# Altium PCB AT short bus ( 7 x 4.2 inches).PCBDOC (part 2 of 4) (continued)
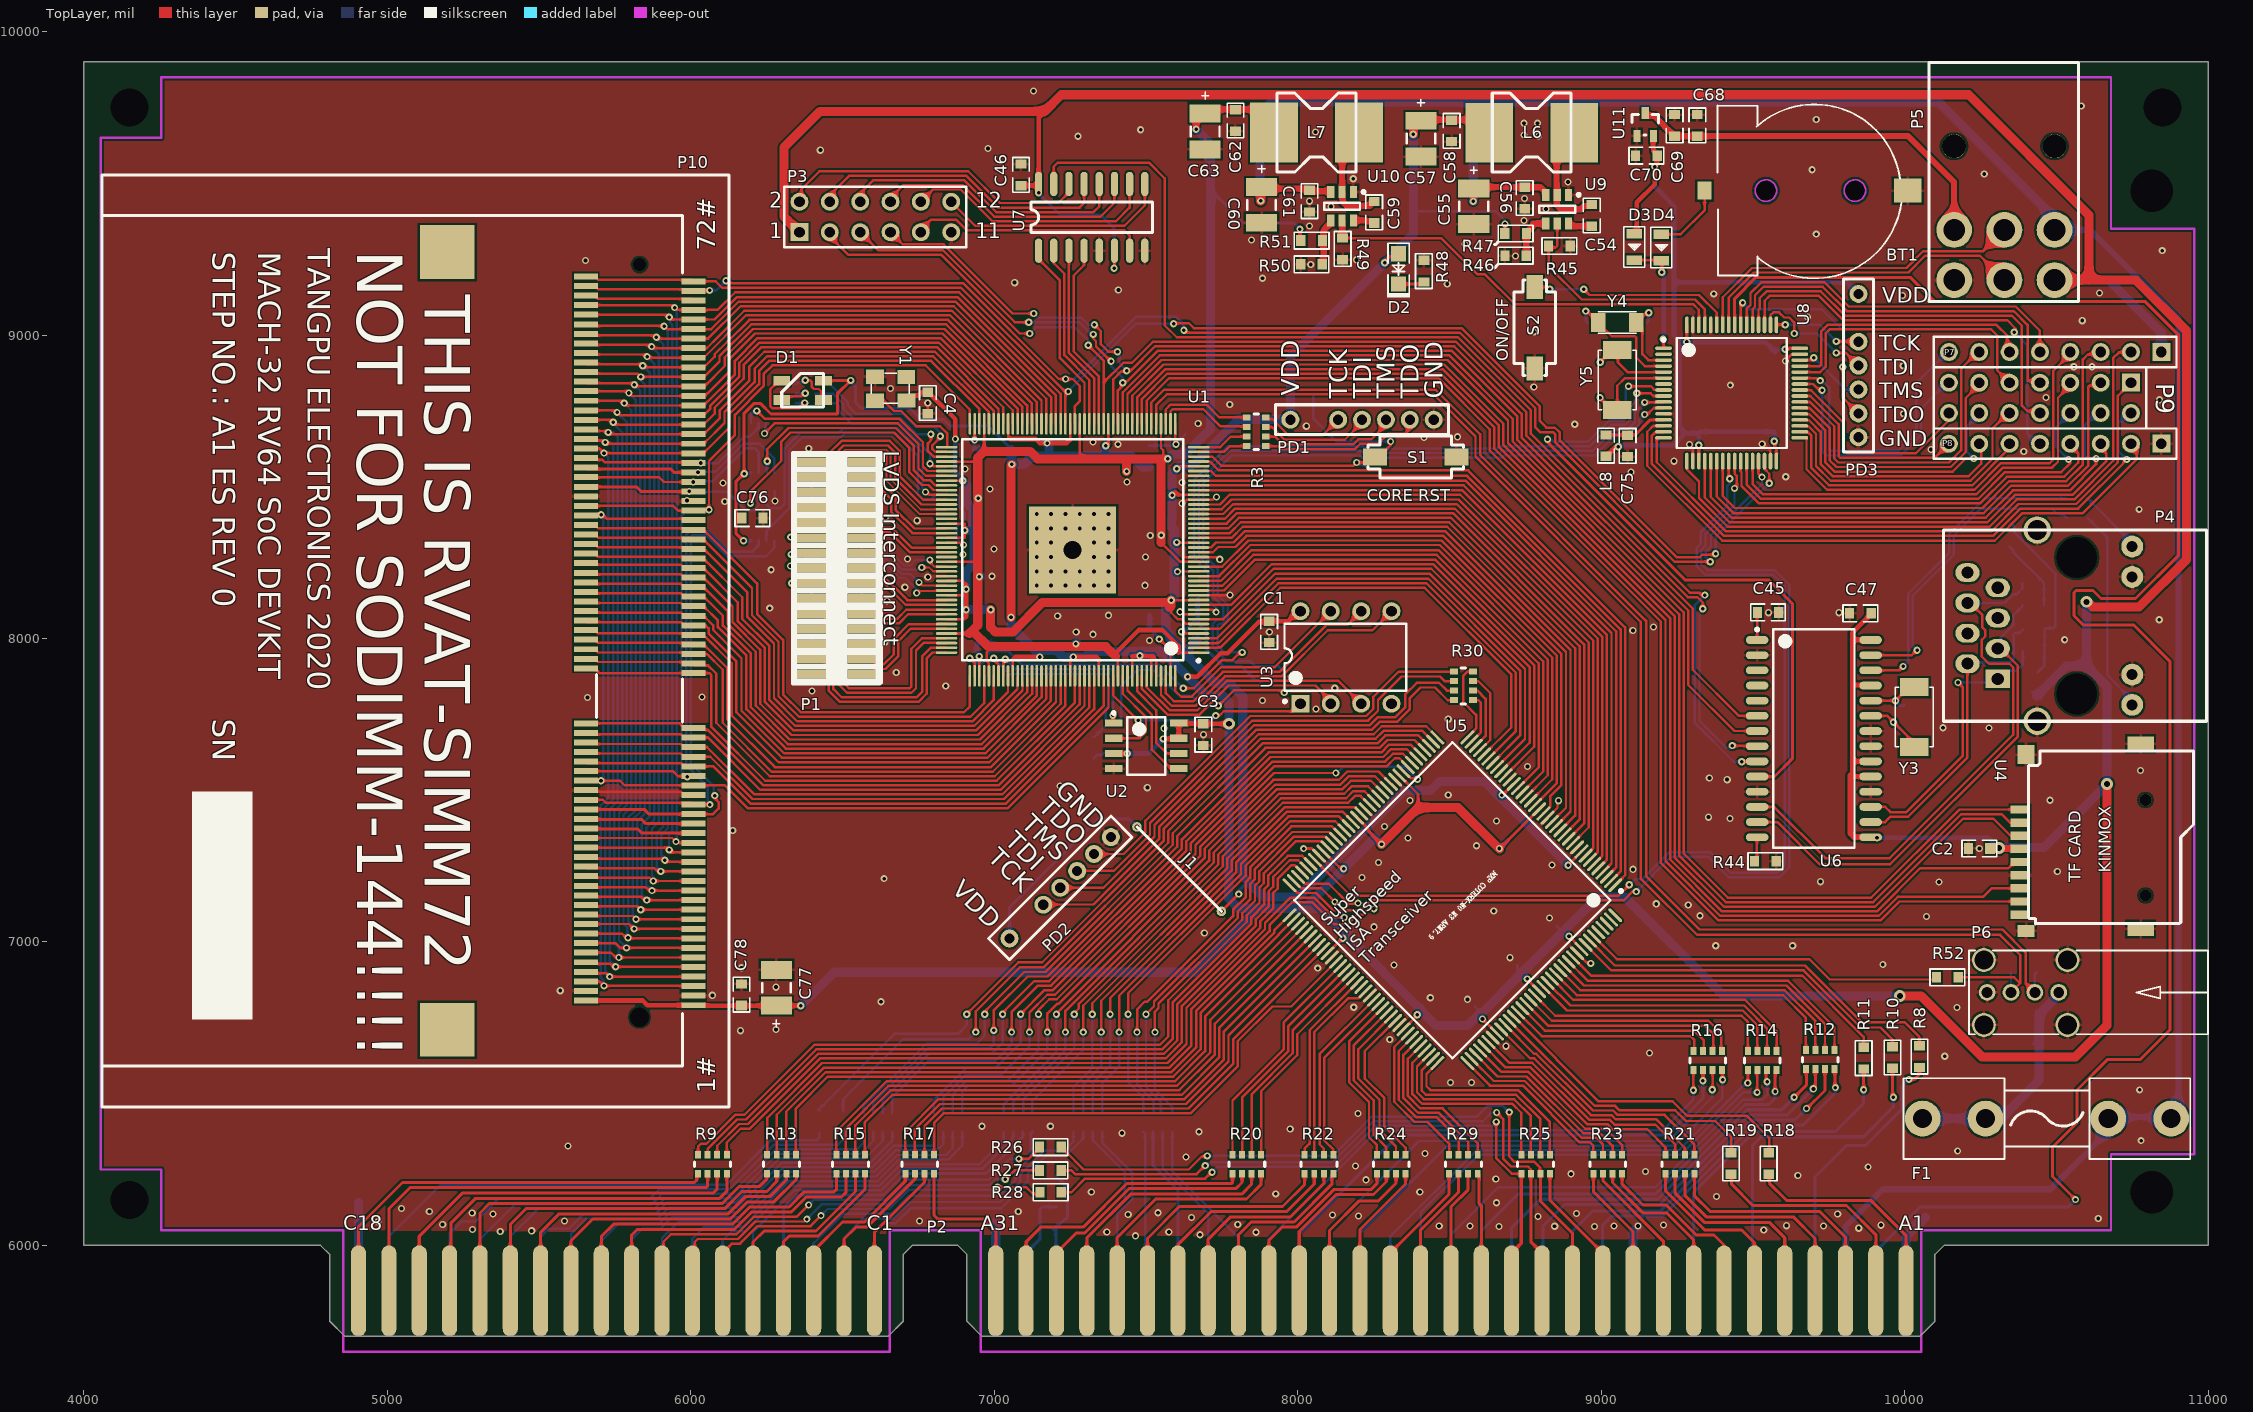
[diagram p0: TopLayer view]
## Nets (pads, with @x,y where several pads share a name; then routed paths per layer and width w, separated by ;. In a path a pad name is that pad's centre, name@x,y a point inside that pad or via, vN(x,y) a via of type N, cw(c..) or ccw(c..) an arc to the next point about the centre after c; other vN are vias at no path point) (continued)
DONE: U1.10 U8.9 | length 2241.7
  TopLayer w8: U1.10@7673.35,8095.15 7673.48,8095.02 7718.64,8095.02 7726.67,8087 v2(7731,8087) ; v2(9117,8808) 9163,8808 9172.57,8798.43 9204.86,8798.43 U8.9@9205.59,8799.16
  BottomLayer w8: v2(7731,8087) 7731,8101 7705,8127 7705,8219 7658.19,8265.81 7658.19,8522.4 7768.79,8633.01 8215.96,8633.01 8222.78,8626.19 8659.54,8626.19 8666.36,8633.01 8962.01,8633.01 9033.13,8704.13 9080.49,8704.13 9096,8719.65 9096,8762.54 9117,8783.54 v2(9117,8808)
DQMH: P10.25 P10.48 U1.88 | length 3115.1
  TopLayer w8: P10.25@5654,7562.96 5941.04,7562.96 5957,7547 ; P10.48@5654,8436.98 5942,8436.98 5957.75,8421.23 P10.48@6008.33,8421.23 ; 5958,7546 6007.12,7546 P10.25@6008.33,7547.21 P10.25@6008.72,7547.61 ; P10.48@6007.87,8421.68 P10.48@6008.33,8421.23 ; P10.48@6008.33,8420 P10.48@6009.56,8421.23 ; U1.88@6919.42,8707.35 6919.29,8707.48 6919.29,8754.71 6774,8900 6269,8900 6240,8871 6240,8832.04 6145,8737.04 6145,8670 6060,8585 v3(6060,8424) ; P10.48@6008.33,8421.23 P10.48@6009.56,8421.23 ; P10.48@6009.56,8421.23 6012.33,8424 v3(6060,8424) ; P10.48@6009.56,8421.23 6057.23,8421.23 v3(6060,8424)
  BottomLayer w8: v3(5988.18,7544.47) 5969.21,7563.44 5969.21,8403.21 5990,8424 v3(6060,8424)
DQML: P10.24 P10.47 U1.162 | length 3236.8
  TopLayer w8: P10.24@5654,7531.46 5654.54,7532 5655.54,7531 v3(5704,7531) 5767,7531 5782.28,7515.72 P10.24@6008.33,7515.72 6112.28,7515.72 6187,7441 7044.84,7441 7376.53,7772.69 U1.162@7376.53,7865 ; P10.47@5654,8405.48 5657.52,8409 5659.02,8407.5 v3(5704.5,8407.5) 5709.73,8407.5 5722.4,8394.83 6003.24,8394.83 P10.47@6008.33,8389.73
  BottomLayer w8: v3(5704,7531) 5712,7539 5712,8400 v3(5704.5,8407.5)
DRQ0: P2.D9 R34.6 | length 1364.7
  BottomLayer w8: P2.D9@5805,5850 5805,6019 5840.72,6054.72 5899.61,6054.72 5937.88,6093 6162.36,6093 6311.36,6242 6603.43,6242 6674.36,6312.93 6809.93,6312.93 6831.64,6334.64 R34.6@6831.64,6373.01
DRQ1: P2.B18 R14.4 | length 1609.8
  TopLayer w8: v3(9483.07,6535.07) 9483.5,6535.5 R14.4@9483.5,6578.01
  BottomLayer w8: P2.B18@8305,5850 8305,6029 8589,6313 9255.57,6313 9477.64,6535.07 v3(9483.07,6535.07)
DRQ2: P2.B6 R10.1 | length 1126.9
  TopLayer w10: R10.1@9960,6583.57 9960,6491 v3(9963,6488)
  BottomLayer w10: P2.B6@9505,5850 9499,5856 9499,6329 9528,6358 9865,6358 9963,6456 v3(9963,6488)
DRQ3: P2.B16 R14.2 | length 1503.7
  TopLayer w8: R14.2@9546.5,6578.01 9543,6574.51 9543,6543 v3(9547,6539)
  BottomLayer w8: P2.B16@8505,5850 8505,6036 8660,6191 9178.21,6191 9467.21,6480 9531,6480 9547,6496 v3(9547,6539)
DRQ5: P2.D11 R35.8 | length 1402.3
  BottomLayer w8: P2.D11@5605,5850 5605,6038.07 5655.51,6088.58 5890.99,6088.58 5926.41,6124 6150.93,6124 6298.93,6272 6591,6272 6664.17,6345.17 R35.8@6664.17,6373.01
DRQ6: P2.D13 R35.6 | length 1534.2
  BottomLayer w8: P2.D13@5405,5850 5405,6029 5496.47,6120.47 5879.57,6120.47 5914.1,6155 6139.51,6155 6286.51,6302 6558.47,6302 6601.18,6344.71 R35.6@6601.18,6373.01
DRQ7: P2.D15 R36.1 | length 1637.7
  BottomLayer w8: P2.D15@5205,5850 5205,6039.25 5244.49,6078.74 5290.97,6078.74 5366.56,6154.33 5865.35,6154.33 5896.02,6185 6127.08,6185 6274.08,6332 6486,6332 6502,6348 R36.1@6502,6371.57
ECOSC1: C66.1 U8.5 Y5.1 | length 354.1
  TopLayer w8: v2(8997,8910) 8997,8912.14 9035.28,8950.43 Y5.1@9053,8950.43 9055,8948.43 9055,8910 9087.1,8877.9 U8.5@9205.59,8877.9
  BottomLayer w8: v2(8997,8910) 9042.87,8955.87 C66.1@9053,8955.87
ECOSC2: C67.1 U8.6 Y5.2 | length 393.1
  TopLayer w8: v2(8996,8794) 8996,8792.86 9035.28,8753.57 Y5.2@9053,8753.57 9053,8833 9078.21,8858.21 U8.6@9205.59,8858.21
  BottomLayer w8: v2(8996,8794) 9000.42,8794 9049.28,8745.13 C67.1@9052,8745.13
ECRST: U8.7
ECRTC1: C64.1 U8.4 Y4.1 | length 415.5
  TopLayer w8: v2(8949.01,9079) 8952.01,9079 Y4.1@8990.01,9041 8990.01,9033.13 9009.63,9013.5 9017.5,9013.5 9035.01,8996 9111.31,8996 9116,8991.31 9116,8925 9143.42,8897.58 U8.4@9205.59,8897.58
  BottomLayer w8: v2(8949.01,9079) 8949.01,9046.57 C64.1@8954.57,9041
ECRTC2: C65.1 U8.3 Y4.2 | length 277.9
  TopLayer w8: v2(9156.5,9073) 9147.99,9073 Y4.2@9115.99,9041 9136,9020.99 9136,8937 9155.73,8917.27 U8.3@9205.59,8917.27
  BottomLayer w8: C65.1@9151.43,9041 9156.5,9046.07 v2(9156.5,9073)
ECTCK: PD3.2 U8.49 | length 293.8
  TopLayer w8: U8.49@9577.64,9033.41 9578.23,9034 v2(9607,9034) ; v2(9775,8979) 9847,8979 PD3.2@9848,8978
  BottomLayer w8: v2(9607,9034) 9720,9034 v2(9775,8979)
ECTDI: PD3.3 U8.50 | length 420.1
  TopLayer w8: U8.50@9557.95,9033.41 9557.95,9065.43 9567.32,9074.8 9586.61,9074.8 9603.54,9057.87 9619.68,9057.87 9636,9041.56 v2(9636,9005) ; v2(9775,8941) 9806.26,8941 PD3.3@9848,8899.26
  BottomLayer w8: v2(9636,9005) 9711,9005 v2(9775,8941)
ECTDO: PD3.5 U8.55 | length 742.5
  TopLayer w8: U8.55@9459.53,9033.41 9459.76,9033.65 9459.76,9099.76 v2(9466,9106) ; v2(9796,8895) 9796,8793.78 PD3.5@9848,8741.78
  BottomLayer w8: v2(9466,9106) 9487,9085 9727,9085 9801.01,9010.99 9801.01,8916.47 9799.06,8914.53 9799.06,8898.06 v2(9796,8895)
ECTMS: PD3.4 U8.46 | length 240.2
  TopLayer w8: U8.46@9654.41,8917.27 9654.54,8917.13 9693.13,8917.13 v2(9701,8925)
  BottomLayer w8: v2(9701,8925) 9805.48,8820.52 PD3.4@9848,8820.52
ECVDD: C70.2 C71.2 C72.2 C73.2 C74.2 D3.1 L8.2 PD3.1 U8.19 U8.32 U8.48 U8.64 U11.2 | length 3219.6
  TopLayer w10: v2(9282,8977) 9282.36,8977.36 U8.64@9282.36,9033.41 ; U8.19@9321.73,8584.59 9321.73,8636.73 v2(9322,8637) ; v2(9570,8650) 9572.68,8647.32 9572.68,8632.11 9577.64,8627.15 U8.32@9577.64,8584.59 ; v2(9606,8953) 9609.64,8956.64 U8.48@9654.41,8956.64
  TopLayer w15: L8.2@9016,8600 L8.2@9017.27,8601.27 ; L8.2@9017.27,8598.73 L8.2@9017.27,8601.27 ; L8.2@9017.27,8607.25 L8.2@9017.27,8601.27 ; v2(9056,8632) 9048,8632 L8.2@9017.27,8601.27 ; D3.1@9109,9333.61 9117,9341.61 9117,9437 9176,9496 v3(9176,9555) 9184,9563 9184,9592.54 9184.43,9592.97 9171,9606.4 U11.2@9171,9659
  BottomLayer w10: v2(9322,8637) 9322,8678.57 C72.2@9325,8681.57 ; C74.2@9572.87,8943 9582.87,8953 v2(9606,8953)
  BottomLayer w15: v2(9056,8632) 9060.79,8636.79 9238.79,8636.79 9269.79,8667.79 9269.79,8687.21 ; v3(9176,9555) 9176,9490 9240,9426 9240,9174 ; C71.2@9291,8947.43 9289.03,8947.43 9280.78,8955.68 9280.78,8957.65 9262,8976.43 ; C72.2@9322,8678.57 9319.65,8676.21 9280.79,8676.21 9269.79,8687.21 ; C72.2@9325,8681.57 C73.2@9569,8681.57 9570,8680.57 v2(9570,8650) ; C74.2@9572.87,8943 9572.87,8944.97 9541.4,8976.43 9262,8976.43 ; PD3.1@9848,9135.48 9809.48,9174 9240,9174 ; 9240,9174 9240,8998.43 9262,8976.43 ; 9262,8976.43 9258.78,8976.43 9258.78,8698.22 9269.79,8687.21
ELEDA: P4.9 R38.1 | length 676.3
  BottomLayer w8: R38.1@10603.43,8397 10668,8332.43 10668,7878.62 10750,7796.62 P4.9@10750,7781.37
ELEDB: P4.12 R39.1 | length 222.8
  BottomLayer w8: R39.1@10602.43,8459.28 R39.1@10602.43,8462 10737.75,8326.68 10737.75,8315.25 P4.12@10750,8303
EN12: R49.1 U8.62 U10.5 | length 1379.8
  TopLayer w8: R49.1@8147.82,9319.58 8472.42,9319.58 8591,9201 8616,9201 8715,9102 8939.47,9102 ; 8939.48,9102.01 8958.54,9102.01 9303,9102 9321.73,9083.27 U8.62@9321.73,9033.41
  TopLayer w20: U10.5@8146.24,9377.09 8147.03,9376.31 8147.03,9320.37 R49.1@8147.82,9319.58
EN25: R45.1 U8.61 U9.5 | length 799.1
  TopLayer w8: U9.5@8855,9367.51 8855.28,9367.23 8855.28,9293.52 8850.18,9288.42 8831.75,9288.42 R45.1@8826.75,9293.42 8826.75,9226.25 8935.99,9117.01 9309.21,9117.01 9342,9084.21 9342,9033.99 U8.61@9341.42,9033.41
ERST#: U6.10 U8.8 | length 2212.3
  TopLayer w8: v2(9090,8831) 9163.99,8831.01 9176.16,8818.84 U8.8@9205.59,8818.84
  TopLayer w10: v2(8823,8657) 8823,8647 9278,8192 9553,8192 9630,8115 9630,7604 9571,7545 U6.10@9513.99,7545
  BottomLayer w8: v2(8823,8657) 8826.06,8653.94 8838.06,8653.94 8843.99,8648.01 8955.79,8648.01 9026.92,8719.13 9074.27,8719.13 9081,8725.86 9081,8822 v2(9090,8831)
ETH_XI: C49.1 U6.23 Y3.2 | length 240.8
  TopLayer w8: U6.23@9888.01,7745 9943,7745 10032,7656 Y3.2@10032,7642.57
  BottomLayer w8: v3(9963,7724) 9963,7723.57 C49.1@9995.57,7691
ETH_XO: C48.1 U6.24 Y3.1 | length 201.1
  TopLayer w8: U6.24@9888.01,7795 v3(9969.86,7795) 10014.28,7839.43 Y3.1@10032,7839.43
  BottomLayer w8: v3(9969.86,7795) 9969.86,7793.14 9984,7779 9996.57,7779 C48.1@9999.57,7782
ETHINT#: U6.4
EVDD33: C75.2 L8.1 U8.13 | length 210.1
  TopLayer w10: L8.1@9016,8670.87 9111.87,8670.87 9161.42,8720.42 U8.13@9205.59,8720.42
FPGA_MB0: P10.3 P10.54 U1.86 | length 3732.8
  TopLayer w8: P10.3@5654,6870.05 5699.05,6870.05 v3(5714,6855.09) 6007.54,6855.09 P10.3@6008.33,6854.3 ; P10.54@5654,8625.95 5699.05,8625.95 v3(5714,8611) 6007.54,8611 P10.54@6008.33,8610.2 6041.6,8610.2 6127.4,8696 6127.4,8740.65 6225,8838.25 6225,8882 6258,8915 6792.02,8915 6950.91,8756.1 U1.86@6950.91,8707.35
  BottomLayer w8: v3(5714,6855.09) 5711.01,6858.08 5711.01,6874.73 5703.19,6882.55 5703.19,7450.19 5727.31,7474.31 5727.31,8597.69 v3(5714,8611)
FPGA_MB1: P10.4 P10.55 U1.84 | length 3699.8
  TopLayer w8: P10.4@5654,6901.54 5659.09,6896.45 5721.55,6896.45 v3(5732.2,6885.8) P10.4@5978.8,6885.8 ; P10.55@5654,8657.45 5659.09,8652.35 v3@5710.65,8652.35 ; v3@5721.3,8641.7 P10.55@5978.8,8641.7 ; P10.55@6008.33,8641.7 6042.7,8641.7 6111,8710 6111,8746 6210,8845 6210,8889 6251,8930 6798.23,8930 6982.28,8745.94 6982.28,8707.48 U1.84@6982.41,8707.35
  BottomLayer w8: v3(5718,8646) 5734.71,8646 5743.81,8636.9 5743.81,7469.6 5718.19,7443.98 5718.19,6904.04 5732.2,6890.02 v3(5732.2,6885.8)
FPGA_MB2: P10.5 P10.56 U1.83 | length 3795.6
  TopLayer w8: P10.5@5654,6933.04 5659.09,6927.94 5734,6927.94 5743.94,6918 v3(5752,6918) 6003.62,6918 6005.62,6920 P10.5@6008.33,6917.29 P10.5@6009.13,6918.09 ; P10.56@5654,8688.94 5659.09,8683.85 5723.15,8683.85 v3(5728,8679) 5733.8,8673.2 P10.56@6008.33,8673.2 6009.13,8674 6043,8674 6096,8727 6096,8753 6192,8849 6192,8895 6242,8945 6804.44,8945 6998.03,8751.41 6998.03,8707.48 U1.83@6998.16,8707.35
  BottomLayer w8: v3(5728,8679) 5745.41,8679 5758.81,8665.6 5758.81,7463.38 5733.19,7437.76 5733.19,6936.81 v3(5752,6918)
FPGA_MB3: P10.6 P10.57 U1.82 | length 3797.7
  TopLayer w8: P10.6@5654,6964.54 5736.56,6964.54 5752.31,6948.79 v3(5763,6948.79) P10.6@6008.33,6948.79 ; P10.57@5654,8720.44 5736.56,8720.44 v3(5744.43,8712.57) 5752.31,8704.69 P10.57@6008.33,8704.69 6042.59,8704.69 6078.41,8740.51 6078.41,8760.41 6174,8856 6174,8856.1 6175,8857.1 6175,8902.57 6232.43,8960 6810.65,8960 7013.91,8756.75 U1.82@7013.91,8707.35
  BottomLayer w8: v3(5744.43,8712.57) 5744.43,8708.34 5773.81,8678.96 5773.81,7457.17 5758,7441.36 5748.19,7431.55 5748.19,6994.65 5763,6979.84 v3(5763,6948.79)
FPGA_MB4: P10.7 P10.58 U1.81 | length 3816.3
  TopLayer w8: P10.7@5654,6996.03 5751.97,6996.03 5767.72,6980.28 v3(5788,6980.28) P10.7@6008.33,6980.28 ; P10.58@5654,8751.94 5750.06,8751.94 v3(5757,8745) 5765.81,8736.19 P10.58@6008.33,8736.19 6042.99,8736.19 6063.41,8756.61 6063.41,8766.72 6160,8863.31 6160,8908.79 6226.21,8975 6816.87,8975 7029.65,8762.21 U1.81@7029.65,8707.35
  BottomLayer w8: v3(5757,8745) 5788.81,8713.19 5788.81,7450.96 5776,7438.15 5763.19,7425.34 5763.19,7005.09 v3(5788,6980.28)
FPGA_MB5: P10.8 P10.59 U1.79 | length 3819.5
  TopLayer w8: P10.8@5654,7027.53 5772.57,7027.53 v3@5788.31,7011.78 ; P10.59@5654,8783.43 5772.57,8783.43 v3(5780.44,8775.56) 5788.31,8767.69 P10.59@6008.33,8767.69 6042.69,8767.69 6145,8870 6145,8915 6220,8990 6823.08,8990 7061.02,8752.06 7061.02,8707.48 U1.79@7061.15,8707.35 ; v3@5793,7011.78 P10.8@6008.33,7011.78
  BottomLayer w8: v3(5780.44,8775.56) 5803.81,8752.19 5803.81,7444.74 5778.19,7419.12 5778.19,7060.83 5790.19,7048.83 5790.19,7016.81 v3(5793,7014)
FPGA_MB6: P10.9 P10.60 U1.78 | length 3840.7
  TopLayer w8: P10.9@5654,7059.02 5795.35,7059.02 5811.37,7043 v3(5813,7043) 5813.14,7043.14 6008.19,7043.14 P10.9@6008.33,7043.28 ; P10.60@5654,8814.93 5790.07,8814.93 v3(5796,8809) 5805.82,8799.18 P10.60@6008.33,8799.18 6046.18,8799.18 6127,8880 6127,8920.57 6211.43,9005 6829.29,9005 7076.9,8757.4 U1.78@7076.9,8707.35
  BottomLayer w8: v3(5796,8809) 5818.81,8786.19 5818.81,7435.17 5793.19,7409.55 5793.19,7067.04 5810.01,7050.22 v3@5810.01,7047.47
FPGA_MB7: P10.10 P10.61 U1.77 | length 3848
  TopLayer w8: P10.10@5654,7090.52 5659.09,7085.43 5808.67,7085.43 v3(5819.32,7074.77) P10.10@6008.33,7074.77 ; P10.61@5654,8846.43 5659.09,8841.33 5808.67,8841.33 v3(5814,8836) 5819.32,8830.68 P10.61@6008.33,8830.68 6044.68,8830.68 6112,8898 6112,8926.79 6205.21,9020 6835.51,9020 7092.65,8762.86 U1.77@7092.65,8707.35
  BottomLayer w8: v3(5814,8836) 5833.81,8816.19 5833.81,7428.96 5808.19,7403.34 5808.19,7090.13 5819.32,7079 v3(5819.32,7074.77)
FPGA_MB8: P10.11 P10.62 U1.76 | length 3852.1
  TopLayer w8: P10.11@5654,7122.02 5659.09,7116.92 5824.17,7116.92 v3(5834.83,7106.27) P10.11@6008.33,7106.27 ; P10.62@5654,8877.92 5659.09,8872.83 5824.17,8872.83 v3(5834.83,8862.17) P10.62@6008.33,8862.17 6043.47,8862.17 6094.38,8913.08 6094.38,8930.38 6199,9035 6841.72,9035 7108.39,8768.33 U1.76@7108.39,8707.35
  BottomLayer w8: v3(5834.83,7106.27) 5823.19,7117.91 5823.19,7397.12 5848.81,7422.74 5848.81,8836.62 5836.81,8848.63 5836.81,8860.19 v3(5834.83,8862.17)
FPGA_MB9: P10.12 P10.63 U1.75 | length 3867.7
  TopLayer w8: P10.12@5654,7153.51 5659.09,7148.42 5836.35,7148.42 v3@5847,7137.76 ; P10.63@5654,8909.42 5659.09,8904.32 5836.35,8904.32 v3(5841.67,8899) 5847,8893.67 P10.63@6008.33,8893.67 6043.67,8893.67 6079,8929 6079,8937 6120,8978 6120.79,8978 6192.79,9050 6847.93,9050 7124.14,8773.79 U1.75@7124.14,8707.35 ; v3@5855,7137.76 P10.12@6008.33,7137.76
  BottomLayer w8: v3(5841.67,8899) 5864,8876.67 5864,7412.98 5838.19,7387.17 5838.19,7154.86 5855,7138.05 v3(5855,7138)
FPGA_MB10: P10.13 P10.64 U1.74 | length 3874.1
  TopLayer w8: P10.13@5654,7185.01 5659.09,7179.91 5851.35,7179.91 5862,7169.26 v3(5872,7169.26) P10.13@6008.33,7169.26 ; P10.64@5654,8940.91 5659.09,8935.82 v3@5851.35,8935.82 ; v3@5862,8925.17 P10.64@6008.33,8925.17 6042.42,8925.17 6182.25,9065 6854.15,9065 7139.89,8779.26 U1.74@7139.89,8707.35
  BottomLayer w8: v3(5856,8929) 5879,8906 5879,7401.98 5853.19,7376.17 5853.19,7188.07 v3(5872,7169.26)
FPGA_MB11: P10.14 P10.65 U1.73 | length 3901.4
  TopLayer w8: P10.14@5654,7216.5 5659.09,7211.41 5865.35,7211.41 v3(5876,7200.76) P10.14@6008.33,7200.76 ; P10.65@5654,8972.41 5659.09,8967.32 5865.35,8967.32 v3(5870.67,8961.99) 5876,8956.66 P10.65@6008.33,8956.66 6052.66,8956.66 6090,8994 ; 6090.04,8994 6176.04,9080 6860.36,9080 7155.64,8784.72 U1.73@7155.64,8707.35
  BottomLayer w8: v3(5870.67,8961.99) 5894,8938.66 5894,7394.98 5872.02,7373 5872.02,7218 5876,7214.02 v3(5876,7200.76)
FPGA_MB12: P10.15 P10.66 U1.72 | length 3921.8
  TopLayer w8: P10.15@5654,7248 5659.09,7242.91 5880.35,7242.91 5891,7232.25 v3(5901,7232.25) P10.15@6008.33,7232.25 ; P10.66@5654,9003.91 5659.09,8998.81 5880.35,8998.81 v3(5886.58,8992.58) 5891,8988.16 P10.66@6008.33,8988.16 6057.16,8988.16 6164,9095 6866.57,9095 7171.39,8790.19 U1.72@7171.39,8707.35
  BottomLayer w8: v3(5886.58,8992.58) 5909,8970.16 5909,7379.98 5888,7358.98 5888,7246.02 5901,7233.02 v3(5901,7232.25)
FPGA_MB13: P10.16 P10.67 U1.71 | length 3919.8
  TopLayer w8: P10.16@5654,7279.5 5659.09,7274.4 5909.35,7274.4 v3(5914.67,7269.07) 5920,7263.75 P10.16@6008.33,7263.75 ; P10.67@5654,9035.4 5659.09,9030.31 v3@5909.35,9030.31 ; 5920,9019.65 P10.67@6008.33,9019.65 6067.44,9019.65 6157.79,9110 6872.79,9110 7187.13,8795.65 U1.71@7187.13,8707.35
  BottomLayer w8: v3(5912,9029) 5924,9017 5924,7373.77 5903,7352.77 5903,7284.98 5914.67,7273.3 v3(5914.67,7269.07)
FPGA_MB14: P10.17 P10.68 U1.70 | length 3917.6
  TopLayer w8: P10.17@5654,7310.99 v2@5921.1,7310.99 ; P10.68@5654,9066.9 5921.1,9066.9 v3(5928.98,9059.02) 5936.85,9051.15 P10.68@6008.33,9051.15 6077.72,9051.15 6151.57,9125 6879,9125 7202.88,8801.12 U1.70@7202.88,8707.35 ; v2@5936.85,7295.24 P10.17@6008.33,7295.24
  BottomLayer w8: v2(5928.98,7303.12) 5928.16,7303.93 5928.16,7356.72 5939.21,7367.77 5939.21,9034.05 5931.97,9041.29 5931.97,9056.03 v3(5928.98,9059.02)
FPGA_MB15: P10.18 P10.69 U1.69 | length 3959.5
  TopLayer w8: P10.18@5654,7342.49 5938.61,7342.49 v2@5950.4,7330.69 ; P10.69@5654,9098.39 5938.61,9098.39 v2(5946.48,9090.52) 5954.35,9082.65 P10.69@6008.33,9082.65 6088.01,9082.65 6146.36,9141 6884.21,9141 7218.63,8806.58 U1.69@7218.63,8707.35 ; v2@5950.78,7330.31 5954.35,7326.74 P10.18@6008.33,7326.74
  BottomLayer w8: v2(5946.48,9090.52) 5949.53,9090.52 5954.21,9085.83 v2@5954.21,7333.78 ; v2(5951.17,7330.69) v2@5954.23,7333.76
FPGA_TCK: R3.8 U1.47 | length 338
  TopLayer w8: U1.47@7565.09,8707.35 7565.09,8754.3 7581.3,8770.51 7699.49,8770.51 7741.5,8728.5 R3.8@7832,8728.5
FPGA_TDI: R3.7 U1.46 | length 319.6
  TopLayer w8: U1.46@7580.83,8707.35 7580.83,8748.83 7587.51,8755.51 7689.49,8755.51 7746,8699 7830,8699 R3.7@7832,8697
FPGA_TDO: R3.5 U1.43 | length 166.6
  TopLayer w8: U1.43@7673.35,8614.83 7757.25,8614.83 7776.43,8634.01 R3.5@7832,8634.01
FPGA_TMS: R3.6 U1.44 | length 173.1
  TopLayer w8: U1.44@7673.35,8630.58 7744.58,8630.58 7779.5,8665.5 R3.6@7832,8665.5
GND: BT1.2 C1.1 C2.1 C3.1 C4.1 C5.2 C6.2 C7.2 C8.2 C9.2 C10.2 C12.2 C13.2 C14.2 C15.2 C16.2 C17.2 C18.2 C19.2 C20.2 C21.2 C22.2 C23.2 C24.2 C25.2 C26.2 C27.2 C28.2 C29.2 C30.2 C31.2 C32.2 C33.2 C34.2 C35.2 C36.2 C37.2 C38.2 C39.2 C40.2 C41.2 C42.2 C43.2 C44.1 C45.2 C46.1 C47.1 C48.2 C49.2 C50.1 C51.1 C52.2 C53.1 C55.2 C56.1 C57.2 C58.1 C60.2 C61.1 C62.2 C63.1 C64.2 C65.2 C66.2 C67.2 C68.1 C69.1 C70.1 C71.1 C72.1 C73.1 C74.1 C75.1 C76.1 C77.2 C78.1 P1.2 P1.5 P1.8 P1.14 P1.19 P1.20 P1.25 P1.26 P2.B1 P2.B10 P2.B31 P2.D18 P3.11 P4.10 P4.11 P4.S P5.6 P6.4 P6.5 P6.6 P6.7 P6.8 P8.1 P10.2 P10.23 P10.49 PD1.6 PD2.6 PD3.6 R7.2 R44.2 R45.2 R46.1 R48.2 R49.2 R50.1 R53.2 R54.2 S1.1 S2.1 U1.9 U1.13 U1.21 U1.33 U1.38 U1.116 U1.177 U2.4 U3.4 U4.6 U4.10 U4.11 U4.12 U4.13 U5.10 U5.17 U5.26 U5.47 U5.54 U5.65 U5.83 U5.92 U5.99 U5.115 U5.135 U6.2 U6.11 U6.18 U6.21 U6.22 U7.5 U7.8 U8.12 U8.18 U8.31 U8.47 U8.60 U8.63 U9.1 U10.1 U11.1 U12.4 U13.4 Y1.2 Y2.2 | length 2291.7
  TopLayer w8: P10.23@5654,7499.97 5659.09,7494.87 5968.15,7494.87 5978.8,7484.22 P10.23@6008.33,7484.22 ; P1.2@6563,8582 v1(6623,8582) ; v1(6780.71,8775.59) 6780.71,8740.86 C4.1@6781,8740.57 ; v1(7612,8088) 7616.23,8088 7624.83,8079.4 U1.9@7673.35,8079.4 ; 7622.06,8267.63 7622.81,8268.38 U1.21@7673.35,8268.38 7731.39,8268.38 7738.77,8261 v1(7743,8261) ; 7628.75,8451.76 7634.22,8457.23 7673.23,8457.23 U1.33@7673.35,8457.35 7673.48,8457.48 7720.18,8457.48 7728.45,8465.75 v1(7732.68,8465.75) ; U1.13@7673.35,8142.39 7776.39,8142.39 v1(7777,8143) ; U5.17@8823.52,7409.49 8856.07,7442.03 8856.07,7462.37 v1(8859.06,7465.35) ; v1(9290.93,8639.37) 9290.93,8635.14 9301.92,8624.15 9301.92,8584.72 U8.18@9302.05,8584.59 ; v1(9530.71,8641.34) 9534.94,8641.34 9557.22,8619.05 9557.22,8585.32 U8.31@9557.95,8584.59 ; v1(9607.09,8914.57) 9607.09,8915.51 9627.8,8936.22 9653.68,8936.22 U8.47@9654.41,8936.95
  TopLayer w10: v4(8019.2,7307.7) 8046.89,7307.7 8070.37,7284.22 U5.65@8070.48,7284.22 ; U5.135@8920.96,6962.68 8921.07,6962.68 8951.84,6931.91 8963.09,6931.91 v4(8965.7,6929.3)
  BottomLayer w8: 4905,6141.22 4909.06,6145.28 ; U13.4@6275,8485.83 6276.28,8484.55 6276.28,8454.04 v1(6277.56,8452.76) ; 7002.76,6079.92 7005,6077.68
  BottomLayer w30: P2.D18@4905,5850 4905,6141.22 ; P2.B31@7005,5850 7005,6077.68 ; P2.B10@9105,5850 9105,6045 9121.26,6061.26 v1(9121.26,6063.78) ; P2.B1@10005,5850 10005,6028.62 10029,6052.62 10029,6060.77 10044.23,6076 10052.38,6076 10068.5,6092.13
  other v1: 7465.35,6031.5 7677.95,6035.04 7862.2,6043.31 7370.87,6044.49 7575.2,6043.7 9535.83,6050.39 9848.82,6056.69 8567.32,6063.39 8663.39,6062.6 8846.85,6062.99 8977.95,6062.6 8466.14,6063.78 9042.13,6064.17 9733.07,6064.17 9611.02,6064.96 9205.91,6066.93 9922.05,6066.54 7802.36,6068.9 10638.19,6088.98 7649.61,6091.34 8792.13,6094.88 8200,6097.24 8114.57,6100.39 7441.34,6101.57 9779.53,6103.15 8918.5,6105.12 7539.76,6107.48 7079,6112 8654.72,6140.55 9380.32,6160.63 7319.69,6175.98 8402.36,6176.38 8224.8,6216.14 8652.76,6219.29 9648.03,6230.31 8900.39,6235.83 9145.67,6243.7 8190.55,6261.42 7631.89,6290.94 8418.9,6303.15 6959.45,6392.52 8503.9,6536.3 8573.1,6536.6 10132.28,6623.23 9159.06,6634.25 8686.3,6656.4 6163.78,6707.48 6281.1,6711.42 10172.6,6784.2 8560,6811 8437,6816 6070.87,6824.02 5569.69,6839.37 6280.71,6850.79 6167.32,6914.96 8317,6924 8699,6948 9377.56,6987.4 9631.1,6987.4 7692.13,7029.13 8251.8,7049.9 8830,7079 10072.44,7083.86 8646,7102 10113.39,7197.24 9722.83,7198.43 8212,7212 10503.15,7231.89 8838,7254 8266,7262 10246.06,7308.27 8589,7317 8363,7343 6138.19,7367.72 8286.22,7380.31 8655,7399 9424.41,7406.69 9353.54,7411.02 8369.8,7465.7 10478.74,7466.93 8496,7484 7504.33,7508.27 7216.54,7513.78 9415.35,7534.65 9356.3,7540.16 10777.56,7564.96 8757,7578 7689,7683 7559,7704 10277.95,7705.12 10126.77,7705.91 8496,7734 8060.6,7768 7884,7796 5659,7806 6036.61,7807.09 6399,7827 8122,7836 6840,7843 6677,7888 6462,7980 6639,7987 7512,7993 7324.8,8013.78 7270,8021 7906.3,8021.26 7209.06,8074.41 7376.38,8076.38 9551.57,8085.04 9783.46,8085.04 6647,8124 6481,8129 6705.12,8168.9 7496.85,8175.2 6781,8203 6992,8205 6714,8262 7498.43,8268.11 6896.85,8276.77 7514,8339 6481,8373 6746.06,8388.19 6641,8399 7619,8445 6111.81,8451.18 5987.01,8454.33 6986,8493 6466,8498 7619,8514 7437,8516 9608.27,8533.07 9098.43,8548.03 6903.94,8558.27 9240.16,8584.25 10392.52,8615.75 10086.61,8622.44 6388.58,8625.59 7408,8640 7325,8647 8416.54,8662.99 8526.38,8664.57 8028.35,8699.61 7672,8708 9996.46,8740.55 7775.98,8770.87 10839.76,8786.61 10465.75,8793.7 6657.48,8824.02 8778,8829 10557.48,8895.28 10617.72,8895.28 9995.67,8898.82 10585.43,9047.24 9992.91,9129.92 10642.52,9138.58 7408.66,9148.82 7067.32,9172.44 8043,9232 5652.36,9246.06 8194,9248 8718,9260 8551,9300 7848,9313 8039,9359 8746,9377 8818,9416 8110,9424 8039,9441 8747,9450 8891,9504 8183,9515 6426.77,9609.06 6979.53,9614.57 7275.59,9655.12 8794,9656 8746,9659 8059,9669 8746,9698 8790,9698
  other v4: 7927.4,6169.8 9879.53,6258.27 10174.8,6311.02 5595.28,6327.56 10779.13,6345.28 10774.41,6512.2 8303.5,6678.6 8184.9,6784.7 6626.77,6802.76 8066,6913.9 9928.35,6925.59 6637.01,7208.66 10527.17,7995.67 10839.37,8061.81 6259.84,8100 6264.57,8226.38 10772.83,8425.59 8912.99,8705.91 9425.98,8835.04 8779.53,9010.24 9679.53,9059.84 9371.26,9135.43 8492.52,9168.11 7883.86,9187.4 10849.21,9278.35 9708.66,9332.68 10262.2,9530.71 9695.28,9544.88 7482.28,9676.38 9709.06,9710.24 10582.68,9754.72
  other v5: 7139.89,8173.89 7187.13,8173.89 7234.38,8173.89 7281.62,8173.89 7328.87,8173.89 7376.11,8173.89 7139.89,8221.13 7187.13,8221.13 7234.38,8221.13 7281.62,8221.13 7328.87,8221.13 7376.11,8221.13 7139.89,8268.38 7187.13,8268.38 7328.87,8268.38 7376.11,8268.38 7139.89,8315.62 7187.13,8315.62 7328.87,8315.62 7376.11,8315.62 7139.89,8362.87 7187.13,8362.87 7234.38,8362.87 7281.62,8362.87 7328.87,8362.87 7376.11,8362.87 7139.89,8410.11 7187.13,8410.11 7234.38,8410.11 7281.62,8410.11 7328.87,8410.11 7376.11,8410.11
  other v6: 5372.05,6046.06 5475.59,6048.03 5280.71,6051.97 5182.28,6068.9 4968.9,6077.95 5583.86,6079.92 6753.54,6079.92 5348.03,6103.54 5279.53,6106.3 5138.19,6111.42 5046.85,6121.26 7420.87,6369.69 7674.8,6374.41 7975.2,6383.46 7184.65,6392.52 8198.82,6434.65 9325.2,7086.22 9287.01,7121.65 9181.5,7125.59 9105.12,7239.37 9104.33,8026.38 9172.44,8038.19 6999.21,8294.49 6105.91,8512.6 7129.13,9804.33
  other v10: 7258,8292
INITB: R1.1 U1.139 U8.10 | length 4088.1
  TopLayer w8: v2@6999,7929.46 7013.78,7914.68 7013.78,7876.77 U1.139@7013.91,7876.65 ; v2@7738,7776 v2(7738,7778) 7789,7829 7949,7829 v2(7956,7822) ; v2(9143,8778) 9204.12,8778 U8.10@9205.59,8779.47
  BottomLayer w8: v2(6998,7935) 7050,7883 7370,7883 7376,7877 7376,7777.19 7367.99,7769.18 7367.99,7729.01 7373.5,7723.5 ; R1.1@7327,7675.43 7329.72,7675.43 7373.5,7719.21 7373.5,7723.5 ; v2(7738,7778) 7736,7776 7686.2,7776 7651.18,7811.02 7609.45,7811.02 7524.02,7896.46 7471.26,7896.46 7418.11,7843.31 7418.11,7738.11 7398,7718 7379,7718 7373.5,7723.5 ; v2(7956,7822) 7956,7889 7937,7908 7860.29,7908 7844,7924.29 7767.29,7924.29 7720,7971.57 7720,8048 7735.99,8063.99 7746.99,8063.99 7754.01,8071.01 7754.01,8104.99 7721,8138 7721,8224.21 7673.19,8272.02 7673.19,8516.19 7775.01,8618.01 8209.74,8618.01 8216.56,8611.19 8665.75,8611.19 8672.57,8618.01 8972,8618.01 9043.13,8689.13 9086.7,8689.13 9111,8713.43 9111,8745 9143,8777 v2(9143,8778)
IOCHK#: P2.A1 R18.1 | length 733.2
  TopLayer w10: R18.1@9554,6233.57 9554,6205 9610.65,6148.35 9888.65,6148.35 10005,6032 P2.A1@10005,5850